# Altium PCB uZed_breakout.PcbDoc (part 4 of 5) (continued)
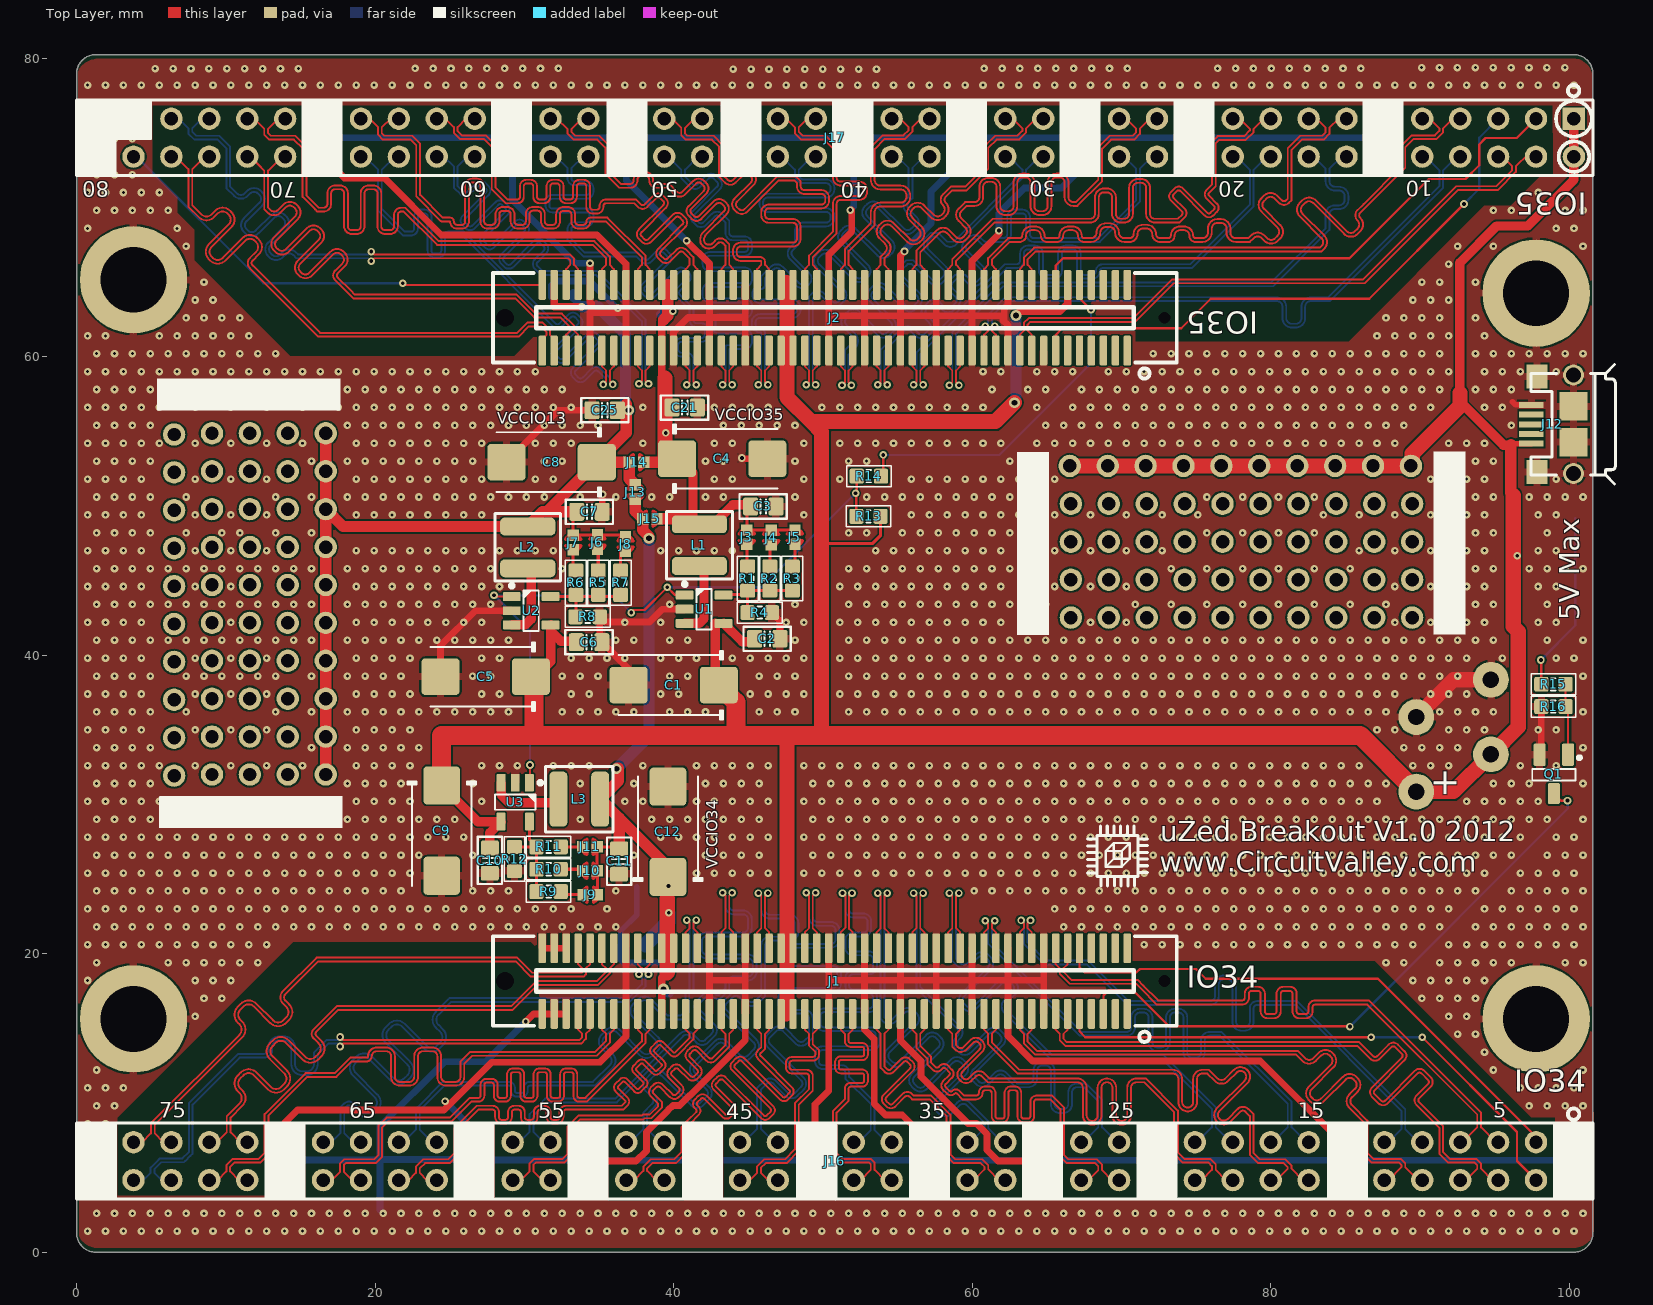
[diagram p0: Top Layer view]
## Nets (pads, with @x,y where several pads share a name; then routed paths per layer and width w, separated by ;. In a path a pad name is that pad's centre, name@x,y a point inside that pad or via, vN(x,y) a via of type N, cw(c..) or ccw(c..) an arc to the next point about the centre after c; other vN are vias at no path point) (continued)
L21_T3_13_N: J2.96 J17.75 | length 42.1
  Top Layer w0.127: v2(19.736,66.408) 19.926,66.599 32.946,66.599 33.073,66.472 33.073,66.148 32.8,65.875 J2.96@32.8,64.811
  Bottom Layer w0.127: J17.75@6.35,75.946 6.858,75.946 7.493,75.311 7.493,74.952 7.896,74.549 9.445,74.549 10.033,73.961 10.033,71.294 10.552,70.775 ccw(c11.006,71.229) 11.459,70.775 11.612,70.928 cw(c11.886,70.654) 12.159,70.928 12.24,70.847 cw(c11.966,70.573) 12.354,70.573 cw(c11.966,70.573) 12.24,70.299 11.208,69.266 ccw(c11.661,68.813) 11.208,68.359 11.288,68.279 ; 11.288,68.279 ccw(c11.742,68.732) 12.195,68.279 13.228,69.311 cw(c13.502,69.037) 13.776,69.311 13.857,69.231 cw(c13.583,68.957) 13.97,68.957 cw(c13.583,68.957) 13.857,68.683 12.824,67.65 ccw(c13.278,67.197) 12.824,66.743 12.905,66.662 ccw(c13.358,67.116) 13.812,66.662 13.965,66.815 cw(c14.238,66.541) 14.512,66.815 14.728,66.599 19.545,66.599 v2(19.736,66.408)
L21_T3_13_P: J2.94 J17.73 | length 42.1
  Top Layer w0.127: v2(19.736,67.043) 19.926,66.853 33.051,66.853 33.327,66.577 33.327,66.148 33.6,65.875 J2.94@33.6,64.811
  Bottom Layer w0.127: J17.73@8.89,75.946 8.382,75.946 7.747,75.311 7.747,75.057 8.001,74.803 9.55,74.803 10.287,74.066 10.287,71.399 10.557,71.13 10.732,70.955 ccw(c11.006,71.229) 11.279,70.955 11.432,71.107 cw(c11.886,70.654) 12.339,71.107 12.42,71.027 cw(c11.966,70.573) 12.608,70.573 cw(c11.966,70.573) 12.42,70.12 11.387,69.087 ccw(c11.661,68.813) 11.387,68.539 11.468,68.458 ccw(c11.742,68.732) 12.016,68.458 13.049,69.491 cw(c13.502,69.037) 13.956,69.491 14.036,69.41 cw(c13.583,68.957) 14.224,68.957 cw(c13.583,68.957) 14.036,68.503 13.004,67.47 ccw(c13.278,67.197) 13.004,66.923 13.084,66.842 ccw(c13.358,67.116) 13.632,66.842 13.785,66.994 cw(c14.238,66.541) 14.692,66.994 14.834,66.853 19.545,66.853 v2(19.736,67.043)
L21_T3_34_N: J1.76 J16.63 | length 41.6
  Top Layer w0.127: J1.76@40.8,20.361 40.8,21.425 41.073,21.698 41.073,22.073 40.895,22.25 v2(40.883,22.25)
  Bottom Layer w0.127: J16.63@21.59,7.366 21.895,7.366 22.733,8.204 22.733,9.605 22.809,9.681 24.533,11.405 28.976,11.405 cw(c28.976,11.019) 29.362,11.019 29.362,10.8 ccw(c29.494,10.8) 29.494,10.668 29.84,10.668 ccw(c29.84,10.8) 29.972,10.8 29.972,11.019 cw(c30.358,11.019) 30.358,11.405 34.596,11.405 35.741,12.549 ccw(c35.466,12.824) 35.855,12.824 ccw(c35.466,12.824) 35.741,13.099 35.177,13.663 cw(c35.631,14.117) 35.177,14.571 35.489,14.884 cw(c35.944,14.43) 36.398,14.884 37.91,13.372 ccw(c38.185,13.647) 38.46,13.372 38.772,13.684 ccw(c38.498,13.959) 38.886,13.959 ccw(c38.498,13.959) 38.772,14.234 37.287,15.719 cw(c37.742,16.174) 37.287,16.628 37.6,16.941 cw(c38.054,16.486) 38.508,16.941 39.599,15.85 40.462,15.85 40.792,16.18 40.792,17.403 41.073,17.683 41.073,22.06 v2(40.883,22.25)
L21_T3_34_P: J1.74 J16.61 | length 41.6
  Top Layer w0.127: v2(41.518,22.25) 41.505,22.25 41.327,22.073 41.327,21.698 41.6,21.425 J1.74@41.6,20.361
  Bottom Layer w0.127: J16.61@24.13,7.366 23.825,7.366 22.987,8.204 22.987,9.5 24.638,11.151 28.976,11.151 cw(c28.976,11.019) 29.108,11.019 29.108,10.8 ccw(c29.494,10.8) 29.494,10.414 29.84,10.414 ccw(c29.84,10.8) 30.226,10.8 30.226,11.019 cw(c30.358,11.019) 30.358,11.151 34.701,11.151 35.92,12.37 ccw(c35.466,12.824) 36.109,12.824 ccw(c35.466,12.824) 35.921,13.278 35.356,13.842 cw(c35.631,14.117) 35.356,14.392 35.669,14.705 cw(c35.944,14.43) 36.218,14.705 37.731,13.192 ccw(c38.185,13.647) 38.639,13.192 38.952,13.505 ccw(c38.498,13.959) 39.14,13.959 ccw(c38.498,13.959) 38.952,14.414 37.467,15.899 cw(c37.742,16.174) 37.467,16.449 37.779,16.761 cw(c38.054,16.486) 38.329,16.761 39.494,15.596 40.567,15.596 41.046,16.075 41.046,17.297 41.327,17.578 41.327,22.06 v2(41.518,22.25)
L21_T3_35_N: J2.84 J17.65 | length 38.4
  Top Layer w0.127: J17.65@19.05,75.946 19.634,75.946 20.193,75.387 20.193,74.876 20.52,74.549 22.377,74.549 22.758,74.168 22.758,70.739 24.409,69.088 24.435,69.063 25.019,69.063 ccw(c25.502,69.063) 25.502,68.58 25.806,68.58 ccw(c25.806,69.063) 26.289,69.063 26.289,71.45 cw(c26.518,71.45) 26.518,71.679 26.822,71.679 cw(c26.822,71.45) 27.051,71.45 27.051,69.063 ccw(c27.534,69.063) 27.534,68.58 27.838,68.58 ccw(c27.838,69.063) 28.321,69.063 28.321,69.545 cw(c28.55,69.545) 28.55,69.774 28.854,69.774 cw(c28.854,69.545) 29.083,69.545 29.083,69.063 ccw(c29.566,69.063) 29.566,68.58 29.87,68.58 ccw(c29.87,69.063) 30.353,69.063 30.353,69.554 cw(c30.582,69.554) 30.582,69.783 30.886,69.783 cw(c30.886,69.554) 31.115,69.554 31.115,69.063 ccw(c31.598,69.063) 31.598,68.58 31.902,68.58 ccw(c31.902,69.063) 32.385,69.063 32.385,69.545 cw(c32.614,69.545) 32.614,69.774 32.918,69.774 cw(c32.918,69.545) 33.147,69.545 33.147,69.063 ccw(c33.63,69.063) 33.63,68.58 33.934,68.58 ccw(c33.934,69.063) 34.417,69.063 35.46,69.063 37.873,66.65 37.873,66.148 37.6,65.875 J2.84@37.6,64.811
L21_T3_35_P: J2.82 J17.63 | length 38.4
  Top Layer w0.127: J17.63@21.59,75.946 21.031,75.946 20.447,75.362 20.447,74.981 20.625,74.803 22.483,74.803 23.012,74.273 23.012,70.844 24.54,69.317 25.019,69.317 cw(c25.019,69.063) 25.273,69.063 ccw(c25.502,69.063) 25.502,68.834 25.806,68.834 ccw(c25.806,69.063) 26.035,69.063 26.035,71.45 cw(c26.518,71.45) 26.518,71.933 26.822,71.933 cw(c26.822,71.45) 27.305,71.45 27.305,69.063 ccw(c27.534,69.063) 27.534,68.834 27.838,68.834 ccw(c27.838,69.063) 28.067,69.063 28.067,69.545 cw(c28.55,69.545) 28.55,70.028 28.854,70.028 cw(c28.854,69.545) 29.337,69.545 29.337,69.063 ccw(c29.566,69.063) 29.566,68.834 29.87,68.834 ccw(c29.87,69.063) 30.099,69.063 30.099,69.554 cw(c30.582,69.554) 30.582,70.037 30.886,70.037 cw(c30.886,69.554) 31.369,69.554 31.369,69.063 ccw(c31.598,69.063) 31.598,68.834 31.902,68.834 ccw(c31.902,69.063) 32.131,69.063 32.131,69.545 cw(c32.614,69.545) 32.614,70.028 32.918,70.028 cw(c32.918,69.545) 33.401,69.545 33.401,69.063 ccw(c33.63,69.063) 33.63,68.834 33.934,68.834 ccw(c33.934,69.063) 34.163,69.063 cw(c34.417,69.063) 34.417,69.317 35.565,69.317 38.127,66.755 38.127,66.148 38.4,65.875 J2.82@38.4,64.811
L22_T3_13_N: J2.99 J17.76 | length 40.6
  Top Layer w0.127: J17.76@6.35,73.406 6.655,73.406 7.493,72.568 7.493,70.05 8.197,69.345 ccw(c8.699,69.847) 9.201,69.345 9.455,69.598 cw(c9.777,69.276) 10.099,69.598 10.191,69.507 cw(c9.869,69.184) 10.325,69.184 cw(c9.869,69.184) 10.191,68.862 8.86,67.531 ccw(c9.362,67.029) 8.86,66.527 8.952,66.436 ccw(c9.454,66.938) 9.956,66.436 11.287,67.766 cw(c11.609,67.444) 11.931,67.766 12.023,67.675 cw(c11.701,67.352) 12.157,67.352 cw(c11.701,67.352) 12.023,67.03 11.606,66.613 ccw(c11.944,66.275) 11.606,65.937 16.202,61.341 18.208,61.341 29.62,61.341 30.306,62.027 31.117,62.027 31.473,61.671 31.473,61.445 31.2,61.172 J2.99@31.2,60.411
L22_T3_13_P: J2.97 J17.74 | length 40.6
  Top Layer w0.127: J17.74@8.89,73.406 8.585,73.406 7.747,72.568 7.747,70.155 8.377,69.525 ccw(c8.699,69.847) 9.022,69.525 9.275,69.778 cw(c9.777,69.276) 10.279,69.778 10.371,69.686 cw(c9.869,69.184) 10.579,69.184 cw(c9.869,69.184) 10.371,68.682 9.04,67.352 ccw(c9.362,67.029) 9.04,66.707 9.131,66.615 ccw(c9.454,66.938) 9.776,66.615 11.107,67.946 cw(c11.609,67.444) 12.111,67.946 12.203,67.854 cw(c11.701,67.352) 12.411,67.352 cw(c11.701,67.352) 12.203,66.85 11.786,66.433 ccw(c11.944,66.275) 11.786,66.116 16.307,61.595 18.208,61.595 29.515,61.595 30.201,62.281 31.223,62.281 31.727,61.776 31.727,61.44 32,61.167 J2.97@32,60.411
L22_T3_34_N: J1.83 J16.68 | length 41.2
  Top Layer w0.127: J16.68@16.51,4.826 17.094,4.826 17.653,5.385 17.653,5.947 17.929,6.223 19.939,6.223 20.218,6.502 20.218,8.462 20.774,9.017 25.015,9.017 26.336,10.338 26.924,10.338 ccw(c26.924,10.477) 27.064,10.477 27.064,11.213 cw(c27.457,11.213) 27.457,11.607 27.813,11.607 cw(c27.813,11.213) 28.207,11.213 28.207,10.477 ccw(c28.346,10.477) 28.346,10.338 28.702,10.338 ccw(c28.702,10.477) 28.842,10.477 28.842,11.913 cw(c29.235,11.913) 29.235,12.306 29.591,12.306 cw(c29.591,11.913) 29.985,11.913 29.985,10.477 ccw(c30.124,10.477) 30.124,10.338 30.48,10.338 ccw(c30.48,10.477) 30.62,10.477 30.62,11.913 cw(c31.013,11.913) 31.013,12.306 31.369,12.306 cw(c31.369,11.913) 31.763,11.913 31.763,10.477 ccw(c31.902,10.477) 31.902,10.338 32.258,10.338 ccw(c32.258,10.477) 32.398,10.477 32.398,11.913 cw(c32.791,11.913) 32.791,12.306 33.147,12.306 cw(c33.147,11.913) 33.541,11.913 33.541,10.477 ccw(c33.68,10.477) 33.68,10.338 34.087,10.338 37.873,14.124 37.873,14.624 37.6,14.897 J1.83@37.6,15.961
L22_T3_34_P: J1.81 J16.66 | length 41.2
  Top Layer w0.127: J16.66@19.05,4.826 18.466,4.826 17.907,5.385 17.907,5.842 18.034,5.969 20.044,5.969 20.472,6.397 20.472,8.357 20.879,8.763 25.121,8.763 26.441,10.084 26.924,10.084 ccw(c26.924,10.477) 27.318,10.477 27.318,11.213 cw(c27.457,11.213) 27.457,11.353 27.813,11.353 cw(c27.813,11.213) 27.953,11.213 27.953,10.477 ccw(c28.346,10.477) 28.346,10.084 28.702,10.084 ccw(c28.702,10.477) 29.096,10.477 29.096,11.913 cw(c29.235,11.913) 29.235,12.052 29.591,12.052 cw(c29.591,11.913) 29.731,11.913 29.731,10.477 ccw(c30.124,10.477) 30.124,10.084 30.48,10.084 ccw(c30.48,10.477) 30.874,10.477 30.874,11.913 cw(c31.013,11.913) 31.013,12.052 31.369,12.052 cw(c31.369,11.913) 31.509,11.913 31.509,10.477 ccw(c31.902,10.477) 31.902,10.084 32.258,10.084 ccw(c32.258,10.477) 32.652,10.477 32.652,11.913 cw(c32.791,11.913) 32.791,12.052 33.147,12.052 cw(c33.147,11.913) 33.287,11.913 33.287,10.477 ccw(c33.68,10.477) 33.68,10.084 34.192,10.084 38.127,14.019 38.127,14.624 38.4,14.897 J1.81@38.4,15.961
L22_T3_35_N: J2.89 J17.66 | length 42.6
  Top Layer w0.127: J2.89@35.2,60.411 35.2,59.347 35.473,59.074 35.473,58.331 v2(35.283,58.141)
  Bottom Layer w0.127: J17.66@19.05,73.406 19.304,73.406 20.193,72.517 20.193,69.796 21.866,68.123 22.413,68.123 ccw(c22.413,68.57) 22.86,68.57 22.86,69.403 cw(c23.053,69.403) 23.053,69.596 23.327,69.596 cw(c23.327,69.403) 23.52,69.403 23.52,67.097 ccw(c23.967,67.097) 23.967,66.65 24.242,66.65 ccw(c24.242,67.097) 24.689,67.097 24.689,67.93 cw(c24.882,67.93) 24.882,68.123 25.828,68.123 31.902,62.049 ccw(c32.218,62.366) 32.534,62.049 33.123,62.639 cw(c33.259,62.502) 33.396,62.639 33.59,62.445 cw(c33.453,62.308) 33.646,62.308 cw(c33.453,62.308) 33.59,62.172 31.959,60.541 ccw(c32.275,60.225) 31.959,59.909 32.153,59.715 ccw(c32.469,60.031) 32.785,59.715 34.416,61.345 cw(c34.553,61.209) 34.689,61.345 34.883,61.151 cw(c34.747,61.015) 34.94,61.015 cw(c34.747,61.015) 34.883,60.878 33.252,59.248 ccw(c33.568,58.931) 33.252,58.615 33.446,58.421 ccw(c33.762,58.737) 34.078,58.421 34.668,59.01 cw(c34.804,58.874) 34.941,59.01 35.473,58.478 35.473,58.331 v2(35.283,58.141)
L22_T3_35_P: J2.87 J17.64 | length 42.6
  Top Layer w0.127: v2(35.918,58.141) 35.727,58.331 35.727,59.074 36,59.347 J2.87@36,60.411
  Bottom Layer w0.127: J17.64@21.59,73.406 21.336,73.406 20.447,72.517 20.447,69.901 21.971,68.377 22.413,68.377 ccw(c22.413,68.57) 22.606,68.57 22.606,69.403 cw(c23.053,69.403) 23.053,69.85 23.327,69.85 cw(c23.327,69.403) 23.774,69.403 23.774,67.097 ccw(c23.967,67.097) 23.967,66.904 24.242,66.904 ccw(c24.242,67.097) 24.435,67.097 24.435,67.93 cw(c24.882,67.93) 24.882,68.377 25.933,68.377 32.081,62.229 ccw(c32.218,62.366) 32.354,62.229 32.943,62.818 cw(c33.259,62.502) 33.576,62.818 33.769,62.624 cw(c33.453,62.308) 33.9,62.308 cw(c33.453,62.308) 33.769,61.992 32.139,60.361 ccw(c32.275,60.225) 32.139,60.088 32.333,59.894 ccw(c32.469,60.031) 32.606,59.894 34.236,61.525 cw(c34.553,61.209) 34.869,61.525 35.063,61.331 cw(c34.747,61.015) 35.194,61.015 cw(c34.747,61.015) 35.063,60.699 33.432,59.068 ccw(c33.568,58.931) 33.432,58.795 33.626,58.601 ccw(c33.762,58.737) 33.899,58.601 34.488,59.19 cw(c34.804,58.874) 35.12,59.19 35.727,58.583 35.727,58.331 v2(35.918,58.141)
L23_T3_34_N: J1.84 J16.67 | length 42.9
  Top Layer w0.127: J1.84@37.6,20.361 37.6,19.298 37.873,19.025 37.873,18.745 37.746,18.618 v2(37.683,18.618)
  Bottom Layer w0.127: J16.67@16.51,7.366 17.069,7.366 17.678,7.976 17.678,9.706 17.931,9.959 cw(c18.243,9.646) 18.555,9.959 19.062,9.452 ccw(c19.41,9.8) 19.759,9.452 19.978,9.671 ccw(c19.63,10.02) 20.122,10.02 ccw(c19.63,10.02) 19.978,10.368 18.52,11.826 cw(c19.048,12.354) 18.52,12.883 18.739,13.102 cw(c19.267,12.574) 19.795,13.102 21.253,11.643 ccw(c21.602,11.992) 21.95,11.643 22.169,11.862 ccw(c21.821,12.211) 22.314,12.211 ccw(c21.821,12.211) 22.169,12.559 20.711,14.018 cw(c21.239,14.546) 20.711,15.074 20.93,15.293 cw(c21.458,14.765) 21.986,15.293 23.444,13.834 ccw(c23.793,14.183) 24.141,13.834 24.36,14.054 ccw(c24.012,14.402) 24.505,14.402 ccw(c24.012,14.402) 24.36,14.75 24.069,15.041 cw(c24.597,15.569) 24.069,16.097 24.914,16.942 24.99,17.018 36.959,17.018 37.873,17.932 37.873,18.428 v2(37.683,18.618)
L23_T3_34_P: J1.82 J16.65 | length 42.9
  Top Layer w0.127: v2(38.318,18.618) 38.254,18.618 38.127,18.745 38.127,19.025 38.4,19.298 J1.82@38.4,20.361
  Bottom Layer w0.127: J16.65@19.05,7.366 18.542,7.366 17.932,7.976 17.932,9.601 18.11,9.779 cw(c18.243,9.646) 18.376,9.779 18.882,9.272 ccw(c19.41,9.8) 19.939,9.272 20.158,9.492 ccw(c19.63,10.02) 20.376,10.02 ccw(c19.63,10.02) 20.158,10.548 18.699,12.006 cw(c19.048,12.354) 18.699,12.703 18.918,12.922 cw(c19.267,12.574) 19.615,12.922 21.074,11.464 ccw(c21.602,11.992) 22.13,11.464 22.349,11.683 ccw(c21.821,12.211) 22.568,12.211 ccw(c21.821,12.211) 22.349,12.739 20.89,14.197 cw(c21.239,14.546) 20.89,14.894 21.11,15.113 cw(c21.458,14.765) 21.806,15.113 23.265,13.655 ccw(c23.793,14.183) 24.321,13.655 24.54,13.874 ccw(c24.012,14.402) 24.759,14.402 ccw(c24.012,14.402) 24.54,14.93 24.249,15.221 cw(c24.597,15.569) 24.249,15.918 25.095,16.764 37.064,16.764 38.127,17.827 38.127,18.428 v2(38.318,18.618)
L23_T3_35_N: J2.90 J17.71 | length 42.6
  Top Layer w0.127: J17.71@11.151,76.098 J17.71@11.43,76.098 ; J17.71@11.43,75.946 11.887,75.946 12.573,75.26 12.573,74.876 12.9,74.549 14.551,74.549 15.138,73.961 15.138,70.71 15.973,69.875 16.125,69.723 16.536,69.723 ccw(c16.536,70.241) 17.054,70.241 17.054,70.957 cw(c17.318,70.957) 17.318,71.222 17.654,71.222 cw(c17.654,70.957) 17.918,70.957 17.918,68.743 ccw(c18.436,68.743) 18.436,68.224 18.771,68.224 ccw(c18.771,68.743) 19.289,68.743 19.289,70.957 cw(c19.554,70.957) 19.554,71.222 19.889,71.222 cw(c19.889,70.957) 20.153,70.957 20.153,68.743 ccw(c20.671,68.743) 20.671,68.224 21.007,68.224 ccw(c21.007,68.743) 21.525,68.743 21.525,69.505 cw(c21.742,69.505) 21.742,69.723 21.917,69.723 24.152,67.488 34.584,67.488 35.473,66.599 35.473,66.148 35.2,65.875 J2.90@35.2,64.811
L23_T3_35_P: J2.88 J17.69 | length 42.3
  Top Layer w0.127: J17.69@13.97,75.946 13.513,75.946 12.827,75.26 12.827,74.981 13.005,74.803 14.656,74.803 15.392,74.066 15.392,70.815 16.231,69.977 16.536,69.977 ccw(c16.536,70.241) 16.8,70.241 16.8,70.957 cw(c17.318,70.957) 17.318,71.476 17.654,71.476 cw(c17.654,70.957) 18.172,70.957 18.172,68.743 ccw(c18.436,68.743) 18.436,68.478 18.771,68.478 ccw(c18.771,68.743) 19.035,68.743 19.035,70.957 cw(c19.554,70.957) 19.554,71.476 19.889,71.476 cw(c19.889,70.957) 20.407,70.957 20.407,68.743 ccw(c20.671,68.743) 20.671,68.478 21.007,68.478 ccw(c21.007,68.743) 21.271,68.743 21.271,69.505 cw(c21.742,69.505) 21.742,69.977 22.022,69.977 24.257,67.742 34.689,67.742 35.727,66.704 35.727,66.148 36,65.875 J2.88@36,64.811
NetJ3_2: J3.2 R1.1 | length 1.5
  Top Layer w0.203: J3.2@44.907,47.422 44.907,47.346 44.907,46 R1.1@44.958,45.949
NetJ4_2: J4.2 R2.1 | length 1.4
  Top Layer w0.203: R2.1@46.457,45.949 46.457,47.244 J4.2@46.533,47.32
NetJ5_2: J5.2 R3.1 | length 1.5
  Top Layer w0.203: R3.1@47.955,45.949 48.133,46.127 48.133,47.346 J5.2@48.133,47.422
NetJ6_2: J6.2 R5.2 | length 1.4
  Top Layer w0.203: J6.2@34.9,47.015 34.95,46.965 R5.2@34.95,45.669
NetJ7_2: J7.2 R6.2 | length 1.5
  Top Layer w0.203: J7.2@33.274,47.066 33.274,46.99 33.274,45.847 R6.2@33.452,45.669
NetJ8_2: J8.2 R7.2 | length 1.4
  Top Layer w0.203: R7.2@36.449,45.669 36.449,46.99 J8.2@36.449,47.066
NetJ9_2: J9.2 R9.1 | length 1.6
  Top Layer w0.203: R9.1@32.436,24.155 32.639,23.952 33.858,23.952 J9.2@33.934,23.952
NetJ10_2: J10.2 R10.1 | length 1.4
  Top Layer w0.203: R10.1@32.436,25.654 33.731,25.654 J10.2@33.833,25.552
NetJ11_2: J11.2 R11.1 | length 1.5
  Top Layer w0.203: R11.1@32.436,27.153 33.833,27.153 J11.2@33.909,27.153
NetL1_1: L1.1 U1.3 | length 5
  Top Layer w0.635: U1.3@40.762,42.128 41.722,42.128 42.037,42.443 42.037,45.793 L1.1@41.859,45.971
NetL2_1: L2.1 U2.3 | length 5
  Top Layer w0.635: U2.3@29.155,42.027 30.063,42.027 30.455,42.418 30.455,45.59 L2.1@30.226,45.819
NetL3_1: L3.1 U3.3 | length 4.9
  Top Layer w0.635: U3.3@28.438,31.45 28.438,30.668 28.981,30.124 32.052,30.124 L3.1@32.28,30.353
NetQ1_1: Q1.1 R15.1 R16.1 | length 4.8
  Top Layer w0.152: R15.1@99.771,38.049 R16.1@99.771,36.551 99.934,36.388 Q1.1@99.934,33.329
NetR1_2: R1.2 R2.2 R3.2 R4.1 U1.5 | length 6.3
  Top Layer w0.203: U1.5@43.21,44.054 44.689,44.054 R1.2@44.958,44.323 ; R4.1@44.958,42.85 R1.2@44.958,44.323 ; R3.2@47.955,44.323 R2.2@46.457,44.323 R1.2@44.958,44.323
NetR5_1: R5.1 R6.1 R7.1 R8.2 U2.5 | length 6.2
  Top Layer w0.203: U2.5@31.755,43.927 R6.1@33.452,43.927 ; R8.2@33.426,42.57 33.452,42.596 R6.1@33.452,43.927 ; R6.1@33.452,44.043 R6.1@33.452,43.927 ; R7.1@36.449,44.043 36.332,43.927 R6.1@33.452,43.927
NetR9_2: R9.2 R10.2 R11.2 R12.1 U3.5 | length 6.4
  Top Layer w0.203: R12.1@29.337,27.153 R11.2@30.81,27.153 ; U3.5@30.338,28.85 30.338,27.625 R11.2@30.81,27.153 ; R9.2@30.81,24.155 R10.2@30.81,25.654 R11.2@30.81,27.153
NetR15_2: R15.2 SW1.1 | length 12.1
  Top Layer w0.152: v2(98.12,39.675) 98.145,39.65 R15.2@98.145,38.049
  Bottom Layer w0.152: v2(98.12,39.675) 100.426,41.98 SW1.1@100.426,43.84 SW1.1@100.426,49.174
PG_1V8: J2.10 R14.2 | length 23.5
  Top Layer w0.152: R14.2@53.899,51.994 54.051,52.146 v2(54.051,53.416) ; J2.10@67.2,64.811 67.2,63.915 v2(67.97,63.144)
  Bottom Layer w0.152: v2(54.051,53.416) 61.824,53.416 67.97,59.563 v2(67.97,63.144)
PG_CARRIER: J2.11
PWR_EN: J1.5 Q1.3 | length 41.2
  Top Layer w0.152: J1.5@68.8,15.961 68.8,17.187 69.164,17.551 70.79,17.551 73.203,15.138 85.293,15.138 v2(85.319,15.113) ; Q1.3@98.984,30.729 99.461,30.251 v2(99.898,30.251)
  Bottom Layer w0.152: v2(85.319,15.113) 99.924,29.718 99.924,30.226 v2(99.898,30.251)
REG_EN: R13.2 R14.1 U1.1 U2.1 U3.1 | length 47
  Top Layer w0.152: v2(27.965,44.018) 28.057,43.927 U2.1@29.155,43.927 ; U3.1@30.338,31.45 30.378,31.49 v2(30.378,32.639) ; v2(37.16,42.85) 37.338,43.028 38.049,43.028 v2(39.573,44.552) 40.096,44.028 U1.1@40.742,44.028 U1.1@40.762,44.028 ; R13.2@52.248,49.301 52.248,50.8 v2(52.197,50.851) 52.273,50.927 R14.1@52.273,51.994
  Bottom Layer w0.152: v2(27.965,44.018) v2@27.991,43.993 ; v2(30.378,32.639) 30.378,41.605 v2@27.991,43.993 ; v2(37.16,42.85) 36.017,43.993 v2@27.991,43.993 ; v2(39.573,44.552) 45.898,44.552 v2(52.197,50.851)
VCCIO_13: C7.2 C8.1 C24.2 C25.2 J2.98 J6.1 J7.1 J8.1 J13.2 J14.2 L2.2 pad.0@16.688,32.004 pad.0@16.688,34.544 pad.0@16.688,37.084 pad.0@16.688,39.624 pad.0@16.688,42.164 pad.0@16.688,44.704 pad.0@16.688,47.244 pad.0@16.688,49.784 pad.0@16.688,52.324 pad.0@16.688,54.864 | length 71.9
  Top Layer w0.203: J7.1@33.274,48.031 33.299,48.057 33.507,48.057 J6.1@34.618,48.057 ; J7.1@33.274,48.108 33.274,49.364 C7.2@33.516,49.606 ; J6.1@35.181,48.057 36.424,48.057 J8.1@36.449,48.031
  Top Layer w0.508: J2.98@32,64.811 32,63.339 32.004,63.335 33.846,63.335 v2(33.858,63.348)
  Top Layer w0.762: pad.0@16.688,32.004 pad.0@16.688,34.544 pad.0@16.688,37.084 pad.0@16.688,39.624 pad.0@16.688,42.164 pad.0@16.688,44.704 pad.0@16.688,47.244 pad.0@16.688,49.784 ; pad.0@16.688,54.864 pad.0@16.688,52.324 pad.0@16.688,49.784 ; C7.2@33.516,49.606 31.524,49.606 ; 36.83,56.82 36.83,54.912 C8.1@34.851,52.934 ; J13.2@37.44,51.41 37.368,51.481 37.033,51.816 37.033,52.652 J14.2@37.033,52.934 36.957,52.934 C8.1@34.851,52.934 ; pad.0@16.688,49.784 17.853,48.619 L2.2@30.226,48.619 31.214,49.606 31.524,49.606 ; 31.524,49.606 C8.1@34.851,52.934
  Bottom Layer w0.508: C24.2@33.272,64.287 33.272,63.934 v2(33.858,63.348)
  Bottom Layer w0.762: v2(33.858,63.348) 34.925,63.348 36.779,61.493 36.779,56.21 v3(36.982,56.413)
VCCIO_34: C11.2 C12.1 C16.2 C17.2 C18.2 C19.2 J1.78 J1.79 J1.80 J9.1 J10.1 J11.1 J13.1 J15.1 L3.2 | length 46.3
  Top Layer w0.203: J10.1@34.874,25.834 J11.1@34.874,26.871 ; J9.1@34.9,24.234 J10.1@34.9,25.32 ; J11.1@34.95,27.153 36.22,27.153 C11.2@36.347,27.026
  Top Layer w0.508: J1.79@39.2,15.961 39.2,18.372 39.548,18.72
  Top Layer w0.762: v3(36.17,32.385) 36.22,32.436 36.297,32.436 36.297,31.569 L3.2@35.08,30.353 36.347,29.086 ; C11.2@36.347,27.026 36.347,29.086 ; J13.1@37.44,50.368 37.44,49.632 37.851,49.221 J15.1@37.922,49.149 37.922,48.867 37.922,48.387 38.354,47.955 v3(38.354,47.828) ; C12.1@39.624,25.144 39.624,25.809 36.347,29.086
  Top Layer w1.016: 39.548,18.72 39.573,18.745 39.573,23.673
  Bottom Layer w0.508: v4(39.319,17.602) 39.61,17.311 C16.2@39.726,17.311
  Bottom Layer w0.762: v3(36.17,32.385) 38.354,34.569 v3(38.354,47.828)
  Bottom Layer w1.016: C19.2@38.124,20.599 39.624,22.1 C17.2@39.624,22.682 ; C18.2@39.229,24.46 39.573,24.46 v2(39.649,24.536)
  other v2: 39.675,22.733
VCCIO_35: C3.2 C4.1 C20.2 C21.2 C22.2 J2.78 J2.79 J2.80 J3.1 J4.1 J5.1 J14.1 J15.2 L1.2 | length 31.6
  Top Layer w0.203: J3.1@44.907,48.387 45.189,48.387 46.3,48.387 46.766,48.387 47.851,48.387 J5.1@48.133,48.387 ; J3.1@44.907,48.463 44.907,49.706 C3.2@45.163,49.962
  Top Layer w0.508: J15.2@38.887,49.149 J15.2@38.964,49.149 ; 39.345,62.484 39.2,62.339 J2.79@39.2,60.411 39.2,58.793 39.421,58.572 ; L1.2@40.948,49.149 L1.2@41.3,48.796
  Top Layer w0.635: C4.1@40.639,52.882 41.3,52.22 L1.2@41.3,48.796 ; L1.2@41.859,48.771 L1.2@42.853,48.771 ; L1.2@42.7,48.796 43.967,50.063 45.061,50.063 C3.2@45.163,49.962
  Top Layer w0.762: J14.1@37.998,52.934 38.075,52.934 39.522,52.934 40.587,52.934 C4.1@40.589,52.931 ; J15.2@38.964,49.149 L1.2@40.948,49.149 ; 39.345,62.484 39.599,62.738 39.599,64.811
  Top Layer w1.016: 39.421,58.572 39.421,53.035 C4.1@39.522,52.934 ; C4.1@40.589,52.931 C4.1@40.639,52.882
  Bottom Layer w0.508: C22.2@39.065,62.838 39.27,63.043 v2(39.954,63.043)
  other v2: 39.472,54.889
pads on no net: C1.0 C2.0 C3.0 C4.0 C5.0 C6.0 C7.0 C8.0 C9.0 C10.0 C11.0 C12.0 C16.0 C17.0 C18.0 C19.0 C20.0 C21.0 C22.0 C24.0 C25.0 J1. J1.1 J1.2 J1.3 J1.4 J1.6 J1.7 J1.8 J1.108 J2. J2.1 J2.2 J2.3 J2.4 J2.5 J2.6 J2.7 J2.8 J2.9 J2.108 J12.2 J12.3 J12.4 Q1.0 R1.0 R2.0 R3.0 R4.0 R5.0 R6.0 R7.0 R8.0 R9.0 R10.0 R11.0 R12.0 R13.0 R14.0 R15.0 R16.0 U1.0 U2.0 U3.0

## Polygon pours and split planes (outlines as drawn)
GND on Top Layer "Bottom" (solid, pour order 38): 2.733,4.089 2.733,3.759 12.766,3.759 12.954,3.947 12.954,8.484 15.306,8.484 15.306,3.581 25.466,3.581 25.466,3.683 25.578,3.794 25.578,8.484 28.006,8.484 28.006,3.607 33.112,3.607 33.112,3.708 33.112,8.484 35.626,8.484 35.626,3.429 40.681,3.429 40.894,3.642 40.894,8.484 43.323,8.484 43.323,3.581 48.352,3.581 48.352,3.759 48.352,8.484 50.663,8.484 50.663,3.81 50.866,3.607 50.866,3.581 55.946,3.581 55.946,8.255 58.283,8.255 58.283,4.013 58.486,3.81 58.486,3.581 63.541,3.581 63.541,8.484 65.979,8.484 65.979,3.708 66.106,3.581 71.212,3.581 71.212,8.245 71.222,8.255 73.726,8.255 73.726,3.581 83.912,3.581 83.912,8.611 86.426,8.611 86.426,3.607 99.076,3.607 99.076,9.373 101.666,9.373 101.666,1.606 cw(c100.37,1.604) 101.285,0.686 cw(c100.367,1.603) 100.366,0.305 1.295,0.305 cw(c1.295,1.432) 0.498,0.635 0.433,0.7 cw(c1.259,1.526) 0.168,1.11 0.168,9.017 2.708,9.017 2.708,6.477
GND on Top Layer "Top Layer-GND" (solid, pour order 14): 0.102,71.476 5.08,71.476 5.08,72.339 6.731,70.688 6.731,69.647 7.874,68.504 7.874,66.472 14.326,60.02 29.337,60.02 30.607,61.29 33.757,61.29 33.757,65.456 34.175,65.875 70.727,65.875 70.942,65.659 70.942,61.011 85.242,61.011 94.336,70.104 96.088,70.104 98.12,72.136 98.146,72.111 101.549,72.111 101.549,9.423 101.168,9.042 97.46,9.042 86.97,19.533 70.739,19.533 70.612,19.406 70.612,15.113 70.561,15.062 70.18,15.443 30.988,15.443 30.988,20.244 30.429,20.803 14.503,20.803 2.083,8.382 0.152,8.382 0.076,8.458 0.102,8.484
GND on Top Layer "Bottom" (solid, pour order 10): 98.908,76.175 98.908,76.835 88.875,76.835 88.875,76.505 88.468,76.098 88.468,72.568 86.335,72.568 86.335,76.835 76.175,76.835 76.175,76.581 75.717,76.124 75.717,72.517 73.635,72.517 73.635,76.835 68.529,76.835 68.529,76.556 68.148,76.175 68.148,72.619 66.015,72.619 66.015,76.835 60.96,76.835 60.452,76.327 60.477,76.302 60.477,72.746 58.903,72.746 58.318,73.33 58.318,76.835 53.289,76.835 53.289,76.505 52.934,76.149 52.934,72.365 51.181,72.365 51.181,76.251 50.775,76.657 50.775,76.835 45.822,76.835 45.822,72.466 43.459,72.466 43.459,76.149 43.155,76.454 43.155,76.835 38.1,76.835 38.1,72.365 35.865,72.365 35.865,76.352 35.535,76.683 35.535,76.835 30.429,76.835 30.429,72.238 28.245,72.238 28.245,76.835 17.729,76.835 17.729,72.06 15.215,72.06 15.215,76.835 5.08,76.835 5.08,70.942 0.102,70.942 0.102,78.506 cw(c1.097,78.784) 0.503,79.63 cw(c1.486,78.395) 1.275,79.959 100.346,79.959 cw(c100.347,78.835) 101.143,79.629 101.208,79.564 cw(c100.388,78.742) 101.549,78.74 101.549,71.095 98.933,71.095 98.933,73.787
no net on Top Layer "Top Layer-No Net" (solid, pour order 4): -5.41,4.572
GND on Bottom Layer "Bottom" (solid, pour order 44): 98.908,76.175 98.908,76.835 88.875,76.835 88.875,76.505 88.468,76.098 88.468,72.568 86.335,72.568 86.335,76.835 76.175,76.835 76.175,76.581 75.717,76.124 75.717,72.517 73.635,72.517 73.635,76.835 68.529,76.835 68.529,76.556 68.148,76.175 68.148,72.619 66.015,72.619 66.015,76.835 60.96,76.835 60.452,76.327 60.477,76.302 60.477,72.746 58.903,72.746 58.318,73.33 58.318,76.835 53.289,76.835 53.289,76.505 52.934,76.149 52.934,72.365 51.181,72.365 51.181,76.251 50.775,76.657 50.775,76.835 45.822,76.835 45.822,72.466 43.459,72.466 43.459,76.149 43.155,76.454 43.155,76.835 38.1,76.835 38.1,72.365 35.865,72.365 35.865,76.352 35.535,76.683 35.535,76.835 30.429,76.835 30.429,72.238 28.245,72.238 28.245,76.835 17.729,76.835 17.729,72.06 15.215,72.06 15.215,76.835 5.08,76.835 5.08,70.942 0.102,70.942 0.102,78.506 cw(c1.097,78.784) 0.503,79.63 cw(c1.486,78.395) 1.275,79.959 100.346,79.959 cw(c100.347,78.835) 101.143,79.629 101.208,79.564 cw(c100.388,78.742) 101.549,78.74 101.549,71.095 98.933,71.095 98.933,73.787